# Altium PCB OctopusPB_r0102.PcbDoc (part 7 of 10)
Units mm, origin at the board's own origin, x right, y up, seen from the top; angles counter-clockwise.
Board outline 318 x 80 mm, 4 copper layers (Top Layer, Layer 1, Layer 2, Bottom Layer), stack 1.62 mm thick; 806 components, 346 nets, 2957 pads, 6733 vias.
Unrouted connection lines stored in the file: 1143.
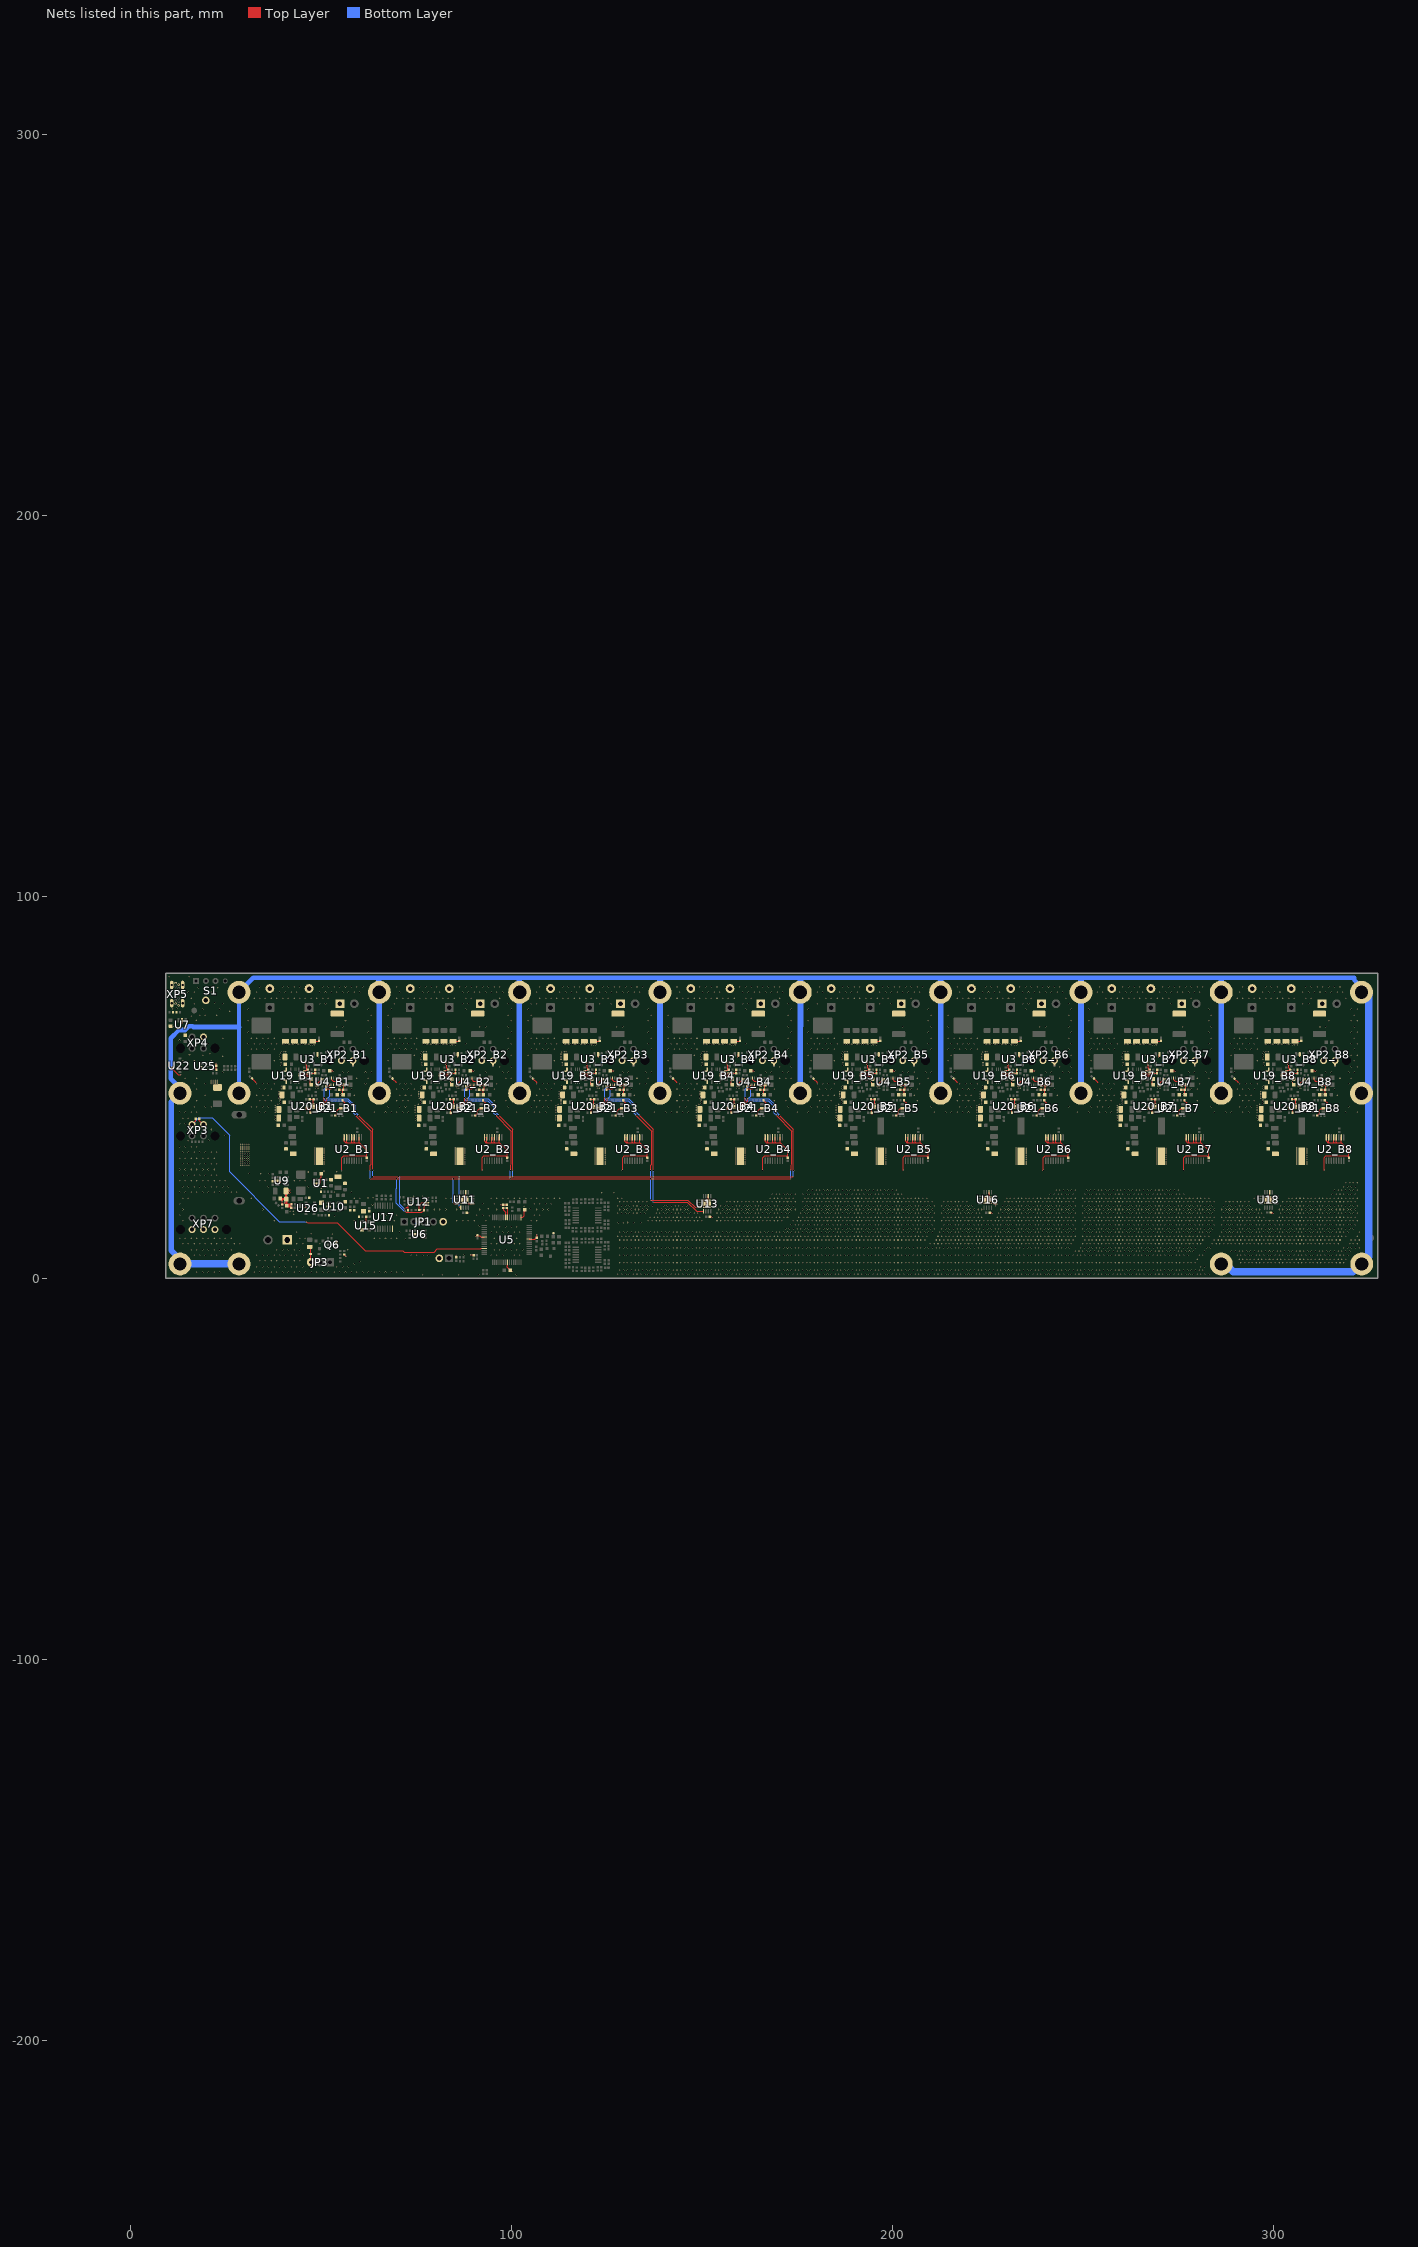
[diagram p9: the nets of this part, all layers, seen from the top]

## Via types
v1: diameter 0.4, hole 0.2, Top Layer to Bottom Layer, tented both sides, 6713 vias
v2: diameter 0.5, hole 0.2, Top Layer to Bottom Layer, tented both sides, 20 vias

## Nets (pads, with @x,y where several pads share a name; then routed paths per layer and width w, separated by ;. In a path a pad name is that pad's centre, name@x,y a point inside that pad or via, vN(x,y) a via of type N, cw(c..) or ccw(c..) an arc to the next point about the centre after c; other vN are vias at no path point) (continued)
DGND: (continued)
  other v1: 260.416,21.984 261.416,21.984 262.416,21.984 263.416,21.984 264.416,21.984 265.416,21.984 266.416,21.984 267.416,21.984 268.416,21.984 269.416,21.984 270.416,21.984 271.416,21.984 272.416,21.984 273.416,21.984 274.416,21.984 275.416,21.984 276.416,21.984 315.416,21.984 316.416,21.984 317.416,21.984 318.416,21.984 319.416,21.984 320.416,21.984 321.416,21.984 123.725,22.325 126.8,22.325 12.916,22.484 14.416,22.484 15.916,22.484 17.416,22.484 18.916,22.484 20.416,22.484 21.916,22.484 23.416,22.484 24.916,22.484 26.416,22.484 27.916,22.484 53.416,22.484 57.916,22.484 177.916,22.984 178.916,22.984 179.916,22.984 180.916,22.984 181.916,22.984 182.916,22.984 183.916,22.984 184.916,22.984 185.916,22.984 186.916,22.984 187.916,22.984 188.916,22.984 189.916,22.984 190.916,22.984 191.916,22.984 192.916,22.984 193.916,22.984 194.916,22.984 195.916,22.984 196.916,22.984 197.916,22.984 198.916,22.984 199.916,22.984 200.916,22.984 242.916,22.984 243.916,22.984 244.916,22.984 245.916,22.984 246.916,22.984 247.916,22.984 250.916,22.984 251.916,22.984 252.916,22.984 253.916,22.984 254.916,22.984 255.916,22.984 256.916,22.984 257.916,22.984 258.916,22.984 259.916,22.984 260.916,22.984 261.916,22.984 262.916,22.984 263.916,22.984 264.916,22.984 265.916,22.984 266.916,22.984 267.916,22.984 268.916,22.984 269.916,22.984 270.916,22.984 271.916,22.984 272.916,22.984 273.916,22.984 274.916,22.984 315.916,22.984 316.916,22.984 317.916,22.984 318.916,22.984 319.916,22.984 320.916,22.984 321.916,22.984 50,23.6 13.666,23.984 15.166,23.984 16.666,23.984 18.166,23.984 19.666,23.984 21.166,23.984 22.666,23.984 24.166,23.984 25.666,23.984 36.166,23.984 46.666,23.984 318.416,23.984 319.416,23.984 320.416,23.984 321.416,23.984 318.916,24.984 319.916,24.984 320.916,24.984 321.916,24.984 12.916,25.484 14.416,25.484 15.916,25.484 17.416,25.484 18.916,25.484 20.416,25.484 21.916,25.484 23.416,25.484 24.916,25.484 33.916,25.484 35.416,25.484 42.916,25.484 44.416,25.484 45.916,25.484 13.666,26.984 15.166,26.984 16.666,26.984 18.166,26.984 19.666,26.984 21.166,26.984 22.666,26.984 34.2,27.35 36.45,27.375 31.175,27.5 46.6,27.825 54.15,27.85 50.775,27.975 129.1,28.225 165.925,28.225 202.75,28.225 239.575,28.225 276.4,28.225 313.225,28.225 12.916,28.484 14.416,28.484 15.916,28.484 17.416,28.484 18.916,28.484 20.416,28.484 21.916,28.484 28.975,29.625 29.475,29.625 29.975,29.625 30.475,29.625 30.975,29.625 48.35,29.925 50.9,29.925 85.175,29.925 85.175,29.925 87.725,29.925 87.725,29.925 122,29.925 124.55,29.925 158.825,29.925 161.375,29.925 195.65,29.925 198.2,29.925 232.475,29.925 235.025,29.925 269.3,29.925 271.85,29.925 306.125,29.925 308.675,29.925 13.666,29.984 15.166,29.984 16.666,29.984 18.166,29.984 19.666,29.984 21.166,29.984 22.666,29.984 28.975,30.125 29.475,30.125 29.975,30.125 30.475,30.125 30.975,30.125 48.35,30.45 50.9,30.45 85.175,30.45 85.175,30.45 87.725,30.45 87.725,30.45 122,30.45 124.55,30.45 158.825,30.45 161.375,30.45 195.65,30.45 198.2,30.45 232.475,30.45 235.025,30.45 269.3,30.45 271.85,30.45 306.125,30.45 308.675,30.45 28.975,30.625 29.475,30.625 29.975,30.625 30.475,30.625 30.975,30.625 48.35,30.975 85.175,30.975 85.175,30.975 122,30.975 158.825,30.975 195.65,30.975 232.475,30.975 269.3,30.975 306.125,30.975 50.9,31 87.725,31 87.725,31 124.55,31 161.375,31 198.2,31 235.025,31 271.85,31 308.675,31 28.975,31.125 29.475,31.125 29.975,31.125 30.475,31.125 30.975,31.125 12.916,31.484 14.416,31.484 15.916,31.484 17.416,31.484 18.916,31.484 20.416,31.484 21.916,31.484 48.35,31.5 85.175,31.5 85.175,31.5 122,31.5 158.825,31.5 195.65,31.5 232.475,31.5 269.3,31.5 306.125,31.5 50.9,31.525 87.725,31.525 87.725,31.525 124.55,31.525 161.375,31.525 198.2,31.525 235.025,31.525 271.85,31.525 308.675,31.525 28.975,31.625 29.475,31.625 29.975,31.625 30.475,31.625 30.975,31.625 48.35,32.025 85.175,32.025 85.175,32.025 122,32.025 158.825,32.025 195.65,32.025 232.475,32.025 269.3,32.025 306.125,32.025 50.9,32.05 87.725,32.05 87.725,32.05 124.55,32.05 161.375,32.05 198.2,32.05 235.025,32.05 271.85,32.05 308.675,32.05 28.975,32.125 29.475,32.125 29.975,32.125 30.475,32.125 30.975,32.125 48.35,32.55 85.175,32.55 85.175,32.55 122,32.55 158.825,32.55 195.65,32.55 232.475,32.55 269.3,32.55 306.125,32.55 50.9,32.575 87.725,32.575 87.725,32.575 124.55,32.575 161.375,32.575 198.2,32.575 235.025,32.575 271.85,32.575 308.675,32.575 28.975,32.625 29.475,32.625 29.975,32.625 30.475,32.625 30.975,32.625 13.666,32.984 15.166,32.984 16.666,32.984 18.166,32.984 19.666,32.984 21.166,32.984 22.666,32.984 48.35,33.075 50.9,33.075 85.175,33.075 85.175,33.075 87.725,33.075 87.725,33.075 122,33.075 124.55,33.075 158.825,33.075 161.375,33.075 195.65,33.075 198.2,33.075 232.475,33.075 235.025,33.075 269.3,33.075 271.85,33.075 306.125,33.075 308.675,33.075 28.975,33.125 29.475,33.125 29.975,33.125 30.475,33.125 30.975,33.125 48.35,33.6 50.9,33.6 85.175,33.6 85.175,33.6 87.725,33.6 87.725,33.6 122,33.6 124.55,33.6 158.825,33.6 161.375,33.6 195.65,33.6 198.2,33.6 232.475,33.6 235.025,33.6 269.3,33.6 271.85,33.6 306.125,33.6 308.675,33.6 28.975,33.625 29.475,33.625 29.975,33.625 30.475,33.625 30.975,33.625 50.9,34.1 87.725,34.1 124.55,34.1 161.375,34.1 198.2,34.1 235.025,34.1 271.85,34.1 308.675,34.1 28.975,34.125 29.475,34.125 29.975,34.125 30.475,34.125 30.975,34.125 48.35,34.125 85.175,34.125 122,34.125 158.825,34.125 195.65,34.125 232.475,34.125 269.3,34.125 306.125,34.125 12.916,34.484 14.416,34.484 15.916,34.484 17.416,34.484 28.975,34.625 29.475,34.625 29.975,34.625 30.475,34.625 30.975,34.625 28.975,35.125 29.475,35.125 29.975,35.125 30.475,35.125 30.975,35.125 15.166,35.984 20.5,36.1 24.916,37.484 15.166,38.984 21.166,38.984 12.916,40.484 14.416,40.484 38,41.6 74.825,41.6 111.65,41.6 148.475,41.6 185.3,41.6 222.125,41.6 258.95,41.6 295.775,41.6 13.666,41.984 15.166,41.984 37.975,42.1 74.8,42.1 111.625,42.1 148.45,42.1 185.275,42.1 222.1,42.1 258.925,42.1 295.75,42.1 37.975,42.575 74.8,42.575 111.625,42.575 148.45,42.575 185.275,42.575 222.1,42.575 258.925,42.575 295.75,42.575 12.916,43.484 14.416,43.484 15.916,43.484 17.416,43.484 33.916,43.484 33.916,43.484 35.416,43.484 35.416,43.484 50.416,43.484 50.416,43.484 63.916,43.484 63.916,43.484 66.916,43.484 66.916,43.484 68.416,43.484 68.416,43.484 69.916,43.484 69.916,43.484 71.416,43.484 71.416,43.484 72.916,43.484 72.916,43.484 86.416,43.484 86.416,43.484 87.916,43.484 87.916,43.484 101.416,43.484 101.416,43.484 104.416,43.484 104.416,43.484 105.916,43.484 105.916,43.484 107.416,43.484 107.416,43.484 108.916,43.484 108.916,43.484 123.916,43.484 123.916,43.484 137.416,43.484 137.416,43.484 140.416,43.484 140.416,43.484 141.916,43.484 141.916,43.484 143.416,43.484 143.416,43.484 144.916,43.484 144.916,43.484 146.416,43.484 146.416,43.484 159.916,43.484 159.916,43.484 161.416,43.484 161.416,43.484 174.916,43.484 174.916,43.484 177.916,43.484 177.916,43.484 180.916,43.484 180.916,43.484 182.416,43.484 182.416,43.484 197.416,43.484 197.416,43.484 198.916,43.484 198.916,43.484 210.916,43.484 210.916,43.484 213.916,43.484 213.916,43.484 215.416,43.484 215.416,43.484 216.916,43.484 216.916,43.484 218.416,43.484 218.416,43.484 219.916,43.484 219.916,43.484 233.416,43.484 233.416,43.484 234.916,43.484 234.916,43.484 248.416,43.484 248.416,43.484 251.416,43.484 251.416,43.484 254.416,43.484 254.416,43.484 255.916,43.484 255.916,43.484 257.416,43.484 257.416,43.484 270.916,43.484 270.916,43.484 272.416,43.484 272.416,43.484 284.416,43.484 284.416,43.484 287.416,43.484 287.416,43.484 288.916,43.484 288.916,43.484 291.916,43.484 291.916,43.484 293.416,43.484 293.416,43.484 308.416,43.484 308.416,43.484 318.916,43.484 318.916,43.484 321.916,43.484 321.916,43.484 37.95,43.55 74.775,43.55 111.6,43.55 148.425,43.55 185.25,43.55 222.075,43.55 258.9,43.55 295.725,43.55 37.95,44.1 74.775,44.1 111.6,44.1 148.425,44.1 185.25,44.1 222.075,44.1 258.9,44.1 295.725,44.1 48.1,44.625 84.925,44.625 121.75,44.625 158.575,44.625 195.4,44.625 232.225,44.625 269.05,44.625 305.875,44.625 37.95,44.65 74.775,44.65 111.6,44.65 148.425,44.65 185.25,44.65 222.075,44.65 258.9,44.65 295.725,44.65 16.666,44.984 19.666,44.984 21.166,44.984 31.666,44.984 31.666,44.984 33.166,44.984 33.166,44.984 34.666,44.984 34.666,44.984 36.166,44.984 36.166,44.984 67.666,44.984 67.666,44.984 70.666,44.984 70.666,44.984 72.166,44.984 72.166,44.984 99.166,44.984 99.166,44.984 105.166,44.984 105.166,44.984 106.666,44.984 106.666,44.984 108.166,44.984 108.166,44.984 109.666,44.984 109.666,44.984 144.166,44.984 144.166,44.984 145.666,44.984 145.666,44.984 172.666,44.984 172.666,44.984 178.666,44.984 178.666,44.984 180.166,44.984 180.166,44.984 181.666,44.984 181.666,44.984 183.166,44.984 183.166,44.984 210.166,44.984 210.166,44.984 217.666,44.984 217.666,44.984 219.166,44.984 219.166,44.984 220.666,44.984 220.666,44.984 246.166,44.984 246.166,44.984 252.166,44.984 252.166,44.984 253.666,44.984 253.666,44.984 255.166,44.984 255.166,44.984 256.666,44.984 256.666,44.984 283.666,44.984 283.666,44.984 291.166,44.984 291.166,44.984 292.666,44.984 292.666,44.984 294.166,44.984 294.166,44.984 319.666,44.984 319.666,44.984 37.95,45.2 74.775,45.2 111.6,45.2 148.425,45.2 185.25,45.2 222.075,45.2 258.9,45.2 295.725,45.2 47.3,45.525 48.1,45.525 84.125,45.525 84.925,45.525 120.95,45.525 121.75,45.525 157.775,45.525 158.575,45.525 194.6,45.525 195.4,45.525 231.425,45.525 232.225,45.525 268.25,45.525 269.05,45.525 305.075,45.525 305.875,45.525 38.625,45.625 75.45,45.625 112.275,45.625 149.1,45.625 185.925,45.625 222.75,45.625 259.575,45.625 296.4,45.625 39.325,45.75 76.15,45.75 112.975,45.75 149.8,45.75 186.625,45.75 223.45,45.75 260.275,45.75 297.1,45.75 39.325,46.275 76.15,46.275 112.975,46.275 149.8,46.275 186.625,46.275 223.45,46.275 260.275,46.275 297.1,46.275 17.416,46.484 33.916,46.484 33.916,46.484 35.416,46.484 35.416,46.484 36.916,46.484 36.916,46.484 69.916,46.484 69.916,46.484 71.416,46.484 71.416,46.484 72.916,46.484 72.916,46.484 95.416,46.484 95.416,46.484 98.416,46.484 98.416,46.484 105.916,46.484 105.916,46.484 107.416,46.484 107.416,46.484 108.916,46.484 108.916,46.484 110.416,46.484 110.416,46.484 143.416,46.484 143.416,46.484 144.916,46.484 144.916,46.484 146.416,46.484 146.416,46.484 168.916,46.484 168.916,46.484 171.916,46.484 171.916,46.484 180.916,46.484 180.916,46.484 182.416,46.484 182.416,46.484 183.916,46.484 183.916,46.484 206.416,46.484 206.416,46.484 216.916,46.484 216.916,46.484 218.416,46.484 218.416,46.484 219.916,46.484 219.916,46.484 221.416,46.484 221.416,46.484 254.416,46.484 254.416,46.484 255.916,46.484 255.916,46.484 257.416,46.484 257.416,46.484 279.916,46.484 279.916,46.484 291.916,46.484 291.916,46.484 293.416,46.484 293.416,46.484 294.916,46.484 294.916,46.484 39.325,46.725 76.15,46.725 112.975,46.725 149.8,46.725 186.625,46.725 223.45,46.725 260.275,46.725 297.1,46.725 38.9,47.225 75.725,47.225 112.55,47.225 149.375,47.225 186.2,47.225 223.025,47.225 259.85,47.225 296.675,47.225 38.875,47.7 75.7,47.7 112.525,47.7 149.35,47.7 186.175,47.7 223,47.7 259.825,47.7 296.65,47.7 55.15,47.85 91.975,47.85 128.8,47.85 165.625,47.85 202.45,47.85 239.275,47.85 276.1,47.85 312.925,47.85 19.666,47.984 33.166,47.984 33.166,47.984 34.666,47.984 34.666,47.984 36.166,47.984 36.166,47.984 58.666,47.984 58.666,47.984 70.666,47.984 70.666,47.984 72.166,47.984 72.166,47.984 73.666,47.984 73.666,47.984 106.666,47.984 106.666,47.984 108.166,47.984 108.166,47.984 109.666,47.984 109.666,47.984 132.166,47.984 132.166,47.984 144.166,47.984 144.166,47.984 145.666,47.984 145.666,47.984 147.166,47.984 147.166,47.984 180.166,47.984 180.166,47.984 181.666,47.984 181.666,47.984 183.166,47.984 183.166,47.984 184.666,47.984 184.666,47.984 205.666,47.984 205.666,47.984 217.666,47.984 217.666,47.984 219.166,47.984 219.166,47.984 220.666,47.984 220.666,47.984 243.166,47.984 243.166,47.984 253.666,47.984 253.666,47.984 255.166,47.984 255.166,47.984 256.666,47.984 256.666,47.984 258.166,47.984 258.166,47.984 291.166,47.984 291.166,47.984 292.666,47.984 292.666,47.984 294.166,47.984 294.166,47.984 316.666,47.984 316.666,47.984 38.875,48.3 75.7,48.3 112.525,48.3 149.35,48.3 186.175,48.3 223,48.3 259.825,48.3 296.65,48.3 55.15,48.4 91.975,48.4 128.8,48.4 165.625,48.4 202.45,48.4 239.275,48.4 276.1,48.4 312.925,48.4 38.875,48.85 75.7,48.85 112.525,48.85 149.35,48.85 186.175,48.85 223,48.85 259.825,48.85 296.65,48.85 17.416,49.484 33.916,49.484 33.916,49.484 35.416,49.484 35.416,49.484 36.916,49.484 36.916,49.484 57.916,49.484 57.916,49.484 69.916,49.484 69.916,49.484 71.416,49.484 71.416,49.484 72.916,49.484 72.916,49.484 74.416,49.484 74.416,49.484 95.416,49.484 95.416,49.484 107.416,49.484 107.416,49.484 108.916,49.484 108.916,49.484 110.416,49.484 110.416,49.484 131.416,49.484 131.416,49.484 143.416,49.484 143.416,49.484 144.916,49.484 144.916,49.484 146.416,49.484 146.416,49.484 147.916,49.484 147.916,49.484 168.916,49.484 168.916,49.484 180.916,49.484 180.916,49.484 182.416,49.484 182.416,49.484 183.916,49.484 183.916,49.484 204.916,49.484 204.916,49.484 206.416,49.484 206.416,49.484 216.916,49.484 216.916,49.484 218.416,49.484 218.416,49.484 219.916,49.484 219.916,49.484 221.416,49.484 221.416,49.484 242.416,49.484 242.416,49.484 254.416,49.484 254.416,49.484 255.916,49.484 255.916,49.484 257.416,49.484 257.416,49.484 278.416,49.484 278.416,49.484 279.916,49.484 279.916,49.484 290.416,49.484 290.416,49.484 291.916,49.484 291.916,49.484 293.416,49.484 293.416,49.484 294.916,49.484 294.916,49.484 315.916,49.484 315.916,49.484 39.525,49.725 76.35,49.725 113.175,49.725 150,49.725 186.825,49.725 223.65,49.725 260.475,49.725 297.3,49.725 48.8,49.8 85.625,49.8 122.45,49.8 159.275,49.8 196.1,49.8 232.925,49.8 269.75,49.8 306.575,49.8 49.325,49.825 86.15,49.825 122.975,49.825 159.8,49.825 196.625,49.825 233.45,49.825 270.275,49.825 307.1,49.825 39.525,50.275 76.35,50.275 113.175,50.275 150,50.275 186.825,50.275 223.65,50.275 260.475,50.275 297.3,50.275 21.2,50.95 21.7,50.95 22.2,50.95 22.7,50.95 16.666,50.984 19.666,50.984 33.166,50.984 33.166,50.984 34.666,50.984 34.666,50.984 36.166,50.984 36.166,50.984 37.666,50.984 37.666,50.984 61.666,50.984 61.666,50.984 70.666,50.984 70.666,50.984 72.166,50.984 72.166,50.984 73.666,50.984 73.666,50.984 96.166,50.984 96.166,50.984 106.666,50.984 106.666,50.984 108.166,50.984 108.166,50.984 109.666,50.984 109.666,50.984 111.166,50.984 111.166,50.984 133.666,50.984 133.666,50.984 135.166,50.984 135.166,50.984 144.166,50.984 144.166,50.984 145.666,50.984 145.666,50.984 147.166,50.984 147.166,50.984 148.666,50.984 148.666,50.984 180.166,50.984 180.166,50.984 181.666,50.984 181.666,50.984 183.166,50.984 183.166,50.984 184.666,50.984 184.666,50.984 207.166,50.984 207.166,50.984 217.666,50.984 217.666,50.984 219.166,50.984 219.166,50.984 220.666,50.984 220.666,50.984 222.166,50.984 222.166,50.984 255.166,50.984 255.166,50.984 256.666,50.984 256.666,50.984 258.166,50.984 258.166,50.984 280.666,50.984 280.666,50.984 291.166,50.984 291.166,50.984 292.666,50.984 292.666,50.984 294.166,50.984 294.166,50.984 295.666,50.984 295.666,50.984 319.666,50.984 319.666,50.984 21.2,51.45 21.7,51.45 22.2,51.45 22.7,51.45 47.15,51.55 83.975,51.55 120.8,51.55 157.625,51.55 194.45,51.55 231.275,51.55 268.1,51.55 304.925,51.55 21.2,51.925 21.7,51.925 22.2,51.925 22.7,51.925 14.416,52.484 17.416,52.484 59.416,52.484 59.416,52.484 62.416,52.484 62.416,52.484 98.416,52.484 98.416,52.484 99.916,52.484 99.916,52.484 132.916,52.484 132.916,52.484 135.916,52.484 135.916,52.484 170.416,52.484 170.416,52.484 171.916,52.484 171.916,52.484 173.416,52.484 173.416,52.484 206.416,52.484 206.416,52.484 209.416,52.484 209.416,52.484 243.916,52.484 243.916,52.484 246.916,52.484 246.916,52.484 279.916,52.484 279.916,52.484 282.916,52.484 282.916,52.484 317.416,52.484 317.416,52.484 320.416,52.484 320.416,52.484 24.166,53.984 55.666,53.984 55.666,53.984 57.166,53.984 57.166,53.984 61.666,53.984 61.666,53.984 63.166,53.984 63.166,53.984 93.166,53.984 93.166,53.984 97.666,53.984 97.666,53.984 99.166,53.984 99.166,53.984 129.166,53.984 129.166,53.984 130.666,53.984 130.666,53.984 135.166,53.984 135.166,53.984 136.666,53.984 136.666,53.984 166.666,53.984 166.666,53.984 168.166,53.984 168.166,53.984 171.166,53.984 171.166,53.984 172.666,53.984 172.666,53.984 202.666,53.984 202.666,53.984 204.166,53.984 204.166,53.984 205.666,53.984 205.666,53.984 208.666,53.984 208.666,53.984 210.166,53.984 210.166,53.984 216.166,53.984 216.166,53.984 240.166,53.984 240.166,53.984 241.666,53.984 241.666,53.984 244.666,53.984 244.666,53.984 246.166,53.984 246.166,53.984 277.666,53.984 277.666,53.984 279.166,53.984 279.166,53.984 282.166,53.984 282.166,53.984 283.666,53.984 283.666,53.984 289.666,53.984 289.666,53.984 313.666,53.984 313.666,53.984 315.166,53.984 315.166,53.984 319.666,53.984 319.666,53.984 321.166,53.984 321.166,53.984 96.916,55.484 96.916,55.484 99.916,55.484 99.916,55.484 170.416,55.484 170.416,55.484 173.416,55.484 173.416,55.484 243.916,55.484 243.916,55.484 246.916,55.484 246.916,55.484 320.416,55.484 320.416,55.484 321.916,55.484 321.916,55.484 39.6,55.85 76.425,55.85 113.25,55.85 150.075,55.85 186.9,55.85 223.725,55.85 260.55,55.85 297.375,55.85 39.6,56.475 76.425,56.475 113.25,56.475 150.075,56.475 186.9,56.475 223.725,56.475 260.55,56.475 297.375,56.475 13.666,56.984 16.666,56.984 21.166,56.984 37.666,56.984 67.666,56.984 111.166,56.984 141.166,56.984 178.666,56.984 178.666,56.984 184.666,56.984 184.666,56.984 214.666,56.984 252.166,56.984 295.666,56.984 321.166,56.984 321.166,56.984 39.325,57.475 76.15,57.475 112.975,57.475 149.8,57.475 186.625,57.475 223.45,57.475 260.275,57.475 297.1,57.475 39.325,58.075 76.15,58.075 112.975,58.075 149.8,58.075 186.625,58.075 223.45,58.075 260.275,58.075 297.1,58.075 24.25,58.225 18.916,58.484 30.916,58.484 45.916,58.484 45.916,58.484 47.416,58.484 47.416,58.484 74.416,58.484 83.416,58.484 83.416,58.484 99.916,58.484 99.916,58.484 104.416,58.484 119.416,58.484 119.416,58.484 120.916,58.484 120.916,58.484 147.916,58.484 156.916,58.484 156.916,58.484 170.416,58.484 170.416,58.484 173.416,58.484 173.416,58.484 177.916,58.484 192.916,58.484 192.916,58.484 215.416,58.484 230.416,58.484 230.416,58.484 246.916,58.484 246.916,58.484 251.416,58.484 266.416,58.484 266.416,58.484 288.916,58.484 303.916,58.484 303.916,58.484 320.416,58.484 320.416,58.484 321.916,58.484 321.916,58.484 15.475,58.55 39.325,58.675 76.15,58.675 112.975,58.675 149.8,58.675 186.625,58.675 223.45,58.675 260.275,58.675 297.1,58.675 20.75,58.825 39.575,59.2 76.4,59.2 113.225,59.2 150.05,59.2 186.875,59.2 223.7,59.2 260.525,59.2 297.35,59.2 40.15,59.325 40.75,59.325 76.975,59.325 77.575,59.325 113.8,59.325 114.4,59.325 150.625,59.325 151.225,59.325 187.45,59.325 188.05,59.325 224.275,59.325 224.875,59.325 261.1,59.325 261.7,59.325 297.925,59.325 298.525,59.325 31.666,59.984 33.166,59.984 34.666,59.984 36.166,59.984 37.666,59.984 63.166,59.984 63.166,59.984 67.666,59.984 69.166,59.984 70.666,59.984 72.166,59.984 73.666,59.984 75.166,59.984 99.166,59.984 99.166,59.984 105.166,59.984 106.666,59.984 108.166,59.984 109.666,59.984 111.166,59.984 136.666,59.984 136.666,59.984 141.166,59.984 142.666,59.984 144.166,59.984 145.666,59.984 147.166,59.984 148.666,59.984 172.666,59.984 172.666,59.984 178.666,59.984 180.166,59.984 181.666,59.984 183.166,59.984 184.666,59.984 210.166,59.984 210.166,59.984 214.666,59.984 216.166,59.984 217.666,59.984 219.166,59.984 220.666,59.984 222.166,59.984 246.166,59.984 246.166,59.984 252.166,59.984 253.666,59.984 255.166,59.984 256.666,59.984 258.166,59.984 283.666,59.984 283.666,59.984 289.666,59.984 291.166,59.984 292.666,59.984 294.166,59.984 295.666,59.984 321.166,59.984 321.166,59.984 47.2,61.275 47.8,61.275 48.4,61.275 84.025,61.275 84.625,61.275 85.225,61.275 120.85,61.275 121.45,61.275 122.05,61.275 157.675,61.275 158.275,61.275 158.875,61.275 194.5,61.275 195.1,61.275 195.7,61.275 231.325,61.275 231.925,61.275 232.525,61.275 268.15,61.275 268.75,61.275 269.35,61.275 304.975,61.275 305.575,61.275 306.175,61.275 40,61.3 40.6,61.3 41.2,61.3 41.8,61.3 42.4,61.3 43,61.3 43.6,61.3 44.2,61.3 44.8,61.3 45.4,61.3 46,61.3 46.6,61.3 76.825,61.3 77.425,61.3 78.025,61.3 78.625,61.3 79.225,61.3 79.825,61.3 80.425,61.3 81.025,61.3 81.625,61.3 82.225,61.3 82.825,61.3 83.425,61.3 113.65,61.3 114.25,61.3 114.85,61.3 115.45,61.3 116.05,61.3 116.65,61.3 117.25,61.3 117.85,61.3 118.45,61.3 119.05,61.3 119.65,61.3 120.25,61.3 150.475,61.3 151.075,61.3 151.675,61.3 152.275,61.3 152.875,61.3 153.475,61.3 154.075,61.3 154.675,61.3 155.275,61.3 155.875,61.3 156.475,61.3 157.075,61.3 187.3,61.3 187.9,61.3 188.5,61.3 189.1,61.3 189.7,61.3 190.3,61.3 190.9,61.3 191.5,61.3 192.1,61.3 192.7,61.3 193.3,61.3 193.9,61.3 224.125,61.3 224.725,61.3 225.325,61.3 225.925,61.3 226.525,61.3 227.125,61.3 227.725,61.3 228.325,61.3 228.925,61.3 229.525,61.3 230.125,61.3 230.725,61.3 260.95,61.3 261.55,61.3 262.15,61.3 262.75,61.3 263.35,61.3 263.95,61.3 264.55,61.3 265.15,61.3 265.75,61.3 266.35,61.3 266.95,61.3 267.55,61.3 297.775,61.3 298.375,61.3 298.975,61.3 299.575,61.3 300.175,61.3 300.775,61.3 301.375,61.3 301.975,61.3 302.575,61.3 303.175,61.3 303.775,61.3 304.375,61.3 17.416,61.484 20.416,61.484 30.916,61.484 32.416,61.484 33.916,61.484 35.416,61.484 36.916,61.484 38.416,61.484 62.416,61.484 62.416,61.484 68.416,61.484 69.916,61.484 71.416,61.484 72.916,61.484 74.416,61.484 87.916,61.484 87.916,61.484 99.916,61.484 99.916,61.484 104.416,61.484 105.916,61.484 107.416,61.484 108.916,61.484 110.416,61.484 111.916,61.484 135.916,61.484 135.916,61.484 141.916,61.484 143.416,61.484 144.916,61.484 146.416,61.484 147.916,61.484 161.416,61.484 161.416,61.484 173.416,61.484 173.416,61.484 177.916,61.484 179.416,61.484 180.916,61.484 182.416,61.484 183.916,61.484 185.416,61.484 209.416,61.484 209.416,61.484 215.416,61.484 216.916,61.484 218.416,61.484 219.916,61.484 221.416,61.484 246.916,61.484 246.916,61.484 251.416,61.484 252.916,61.484 254.416,61.484 255.916,61.484 257.416,61.484 258.916,61.484 282.916,61.484 282.916,61.484 288.916,61.484 290.416,61.484 291.916,61.484 293.416,61.484 294.916,61.484 320.416,61.484 320.416,61.484 321.916,61.484 321.916,61.484 12.85,62.375 24.166,62.984 31.666,62.984 33.166,62.984 34.666,62.984 36.166,62.984 37.666,62.984 63.166,62.984 63.166,62.984 67.666,62.984 69.166,62.984 70.666,62.984 72.166,62.984 73.666,62.984 75.166,62.984 99.166,62.984 99.166,62.984 105.166,62.984 106.666,62.984 108.166,62.984 109.666,62.984 111.166,62.984 136.666,62.984 136.666,62.984 141.166,62.984 142.666,62.984 144.166,62.984 145.666,62.984 147.166,62.984 148.666,62.984 172.666,62.984 172.666,62.984 178.666,62.984 180.166,62.984 181.666,62.984 183.166,62.984 184.666,62.984 210.166,62.984 210.166,62.984 214.666,62.984 216.166,62.984 217.666,62.984 219.166,62.984 220.666,62.984 222.166,62.984 246.166,62.984 246.166,62.984 252.166,62.984 253.666,62.984 255.166,62.984 256.666,62.984 258.166,62.984 283.666,62.984 283.666,62.984 289.666,62.984 291.166,62.984 292.666,62.984 294.166,62.984 295.666,62.984 321.166,62.984 321.166,62.984 30.916,64.484 30.916,64.484 62.416,64.484 62.416,64.484 99.916,64.484 99.916,64.484 104.416,64.484 104.416,64.484 135.916,64.484 135.916,64.484 173.416,64.484 173.416,64.484 177.916,64.484 177.916,64.484 209.416,64.484 209.416,64.484 246.916,64.484 246.916,64.484 251.416,64.484 251.416,64.484 282.916,64.484 282.916,64.484 320.416,64.484 320.416,64.484 321.916,64.484 321.916,64.484 54.166,65.984 55.666,65.984 63.166,65.984 63.166,65.984 67.666,65.984 67.666,65.984 91.666,65.984 93.166,65.984 99.166,65.984 99.166,65.984 127.666,65.984 129.166,65.984 136.666,65.984 136.666,65.984 141.166,65.984 141.166,65.984 165.166,65.984 166.666,65.984 172.666,65.984 172.666,65.984 202.666,65.984 210.166,65.984 210.166,65.984 214.666,65.984 214.666,65.984 238.666,65.984 240.166,65.984 246.166,65.984 246.166,65.984 276.166,65.984 283.666,65.984 283.666,65.984 312.166,65.984 313.666,65.984 321.166,65.984 321.166,65.984 11.05,66.1 30.916,67.484 30.916,67.484 56.416,67.484 62.416,67.484 62.416,67.484 99.916,67.484 99.916,67.484 104.416,67.484 104.416,67.484 135.916,67.484 135.916,67.484 173.416,67.484 173.416,67.484 177.916,67.484 177.916,67.484 209.416,67.484 209.416,67.484 246.916,67.484 246.916,67.484 251.416,67.484 251.416,67.484 282.916,67.484 282.916,67.484 314.416,67.484 320.416,67.484 320.416,67.484 321.916,67.484 321.916,67.484 17.2,67.675 15.9,68.7 18.166,68.984 19.666,68.984 22.666,68.984 63.166,68.984 63.166,68.984 67.666,68.984 67.666,68.984 99.166,68.984 99.166,68.984 105.166,68.984 136.666,68.984 136.666,68.984 141.166,68.984 141.166,68.984 172.666,68.984 172.666,68.984 210.166,68.984 210.166,68.984 214.666,68.984 214.666,68.984 246.166,68.984 246.166,68.984 283.666,68.984 283.666,68.984 321.166,68.984 321.166,68.984 26.07,70.052 18.916,70.484 23.416,70.484 30.916,70.484 30.916,70.484 62.416,70.484 62.416,70.484 68.416,70.484 87.916,70.484 99.916,70.484 99.916,70.484 104.416,70.484 104.416,70.484 135.916,70.484 135.916,70.484 161.416,70.484 173.416,70.484 173.416,70.484 177.916,70.484 177.916,70.484 209.416,70.484 209.416,70.484 234.916,70.484 246.916,70.484 246.916,70.484 251.416,70.484 251.416,70.484 282.916,70.484 282.916,70.484 320.416,70.484 320.416,70.484 321.916,70.484 321.916,70.484 11.125,70.725 12.1,70.75 16.666,71.984 24.166,71.984 49.666,71.984 51.166,71.984 51.166,71.984 69.166,71.984 87.166,71.984 88.666,71.984 88.666,71.984 99.166,71.984 99.166,71.984 105.166,71.984 105.166,71.984 106.666,71.984 123.166,71.984 126.166,71.984 126.166,71.984 160.666,71.984 162.166,71.984 162.166,71.984 172.666,71.984 172.666,71.984 180.166,71.984 196.666,71.984 199.666,71.984 199.666,71.984 234.166,71.984 235.666,71.984 235.666,71.984 246.166,71.984 246.166,71.984 253.666,71.984 273.166,71.984 273.166,71.984 307.666,71.984 309.166,71.984 309.166,71.984 22.1,72.3 15.916,73.484 32.416,73.484 32.416,73.484 33.916,73.484 35.416,73.484 36.916,73.484 38.416,73.484 39.916,73.484 41.416,73.484 42.916,73.484 44.416,73.484 45.916,73.484 47.416,73.484 48.916,73.484 50.416,73.484 50.416,73.484 51.916,73.484 51.916,73.484 69.916,73.484 69.916,73.484 71.416,73.484 72.916,73.484 74.416,73.484 75.916,73.484 77.416,73.484 78.916,73.484 80.416,73.484 81.916,73.484 83.416,73.484 84.916,73.484 87.916,73.484 87.916,73.484 89.416,73.484 89.416,73.484 96.916,73.484 96.916,73.484 107.416,73.484 108.916,73.484 110.416,73.484 111.916,73.484 113.416,73.484 114.916,73.484 116.416,73.484 117.916,73.484 119.416,73.484 120.916,73.484 122.416,73.484 123.916,73.484 123.916,73.484 125.416,73.484 125.416,73.484 143.416,73.484 143.416,73.484 144.916,73.484 146.416,73.484 147.916,73.484 149.416,73.484 150.916,73.484 152.416,73.484 153.916,73.484 155.416,73.484 156.916,73.484 158.416,73.484 161.416,73.484 161.416,73.484 162.916,73.484 162.916,73.484 170.416,73.484 170.416,73.484 182.416,73.484 183.916,73.484 185.416,73.484 186.916,73.484 188.416,73.484 189.916,73.484 191.416,73.484 192.916,73.484 194.416,73.484 195.916,73.484 197.416,73.484 197.416,73.484 198.916,73.484 198.916,73.484 204.916,73.484 204.916,73.484 216.916,73.484 216.916,73.484 218.416,73.484 219.916,73.484 221.416,73.484 222.916,73.484 224.416,73.484 225.916,73.484 227.416,73.484 228.916,73.484 230.416,73.484 231.916,73.484 234.916,73.484 234.916,73.484 236.416,73.484 236.416,73.484 245.416,73.484 245.416,73.484 255.916,73.484 257.416,73.484 258.916,73.484 260.416,73.484 261.916,73.484 263.416,73.484 264.916,73.484 266.416,73.484 267.916,73.484 269.416,73.484 270.916,73.484 270.916,73.484 272.416,73.484 272.416,73.484 278.416,73.484 278.416,73.484 290.416,73.484 290.416,73.484 291.916,73.484 293.416,73.484 294.916,73.484 296.416,73.484 297.916,73.484 299.416,73.484 300.916,73.484 302.416,73.484 303.916,73.484 305.416,73.484 308.416,73.484 308.416,73.484 309.916,73.484 309.916,73.484 318.916,73.484 318.916,73.484 19.3,74.6 10.2,74.775 15.166,74.984 16.666,74.984 21.166,74.984 33.166,74.984 33.166,74.984 39.166,74.984 39.166,74.984 40.666,74.984 40.666,74.984 42.166,74.984 42.166,74.984 43.666,74.984 43.666,74.984 49.666,74.984 49.666,74.984 51.166,74.984 51.166,74.984 52.666,74.984 52.666,74.984 54.166,74.984 54.166,74.984 55.666,74.984 55.666,74.984 57.166,74.984 57.166,74.984 58.666,74.984 58.666,74.984 60.166,74.984 60.166,74.984 70.666,74.984 70.666,74.984 76.666,74.984 76.666,74.984 78.166,74.984 78.166,74.984 79.666,74.984 79.666,74.984 81.166,74.984 81.166,74.984 87.166,74.984 87.166,74.984 88.666,74.984 88.666,74.984 90.166,74.984 90.166,74.984 91.666,74.984 91.666,74.984 93.166,74.984 93.166,74.984 94.666,74.984 94.666,74.984 96.166,74.984 96.166,74.984 97.666,74.984 97.666,74.984 106.666,74.984 106.666,74.984 112.666,74.984 112.666,74.984 114.166,74.984 114.166,74.984 115.666,74.984 115.666,74.984 117.166,74.984 117.166,74.984 123.166,74.984 123.166,74.984 124.666,74.984 124.666,74.984 126.166,74.984 126.166,74.984 127.666,74.984 127.666,74.984 129.166,74.984 129.166,74.984 130.666,74.984 130.666,74.984 132.166,74.984 132.166,74.984 133.666,74.984 133.666,74.984 144.166,74.984 144.166,74.984 150.166,74.984 150.166,74.984 151.666,74.984 151.666,74.984 153.166,74.984 153.166,74.984 154.666,74.984 154.666,74.984 160.666,74.984 160.666,74.984 162.166,74.984 162.166,74.984 163.666,74.984 163.666,74.984 165.166,74.984 165.166,74.984 166.666,74.984 166.666,74.984 168.166,74.984 168.166,74.984 169.666,74.984 169.666,74.984 171.166,74.984 171.166,74.984 180.166,74.984 180.166,74.984 181.666,74.984 181.666,74.984 186.166,74.984 186.166,74.984 187.666,74.984 187.666,74.984 189.166,74.984 189.166,74.984 190.666,74.984 190.666,74.984 196.666,74.984 196.666,74.984 198.166,74.984 198.166,74.984 199.666,74.984 199.666,74.984 201.166,74.984 201.166,74.984 202.666,74.984 202.666,74.984 204.166,74.984 204.166,74.984 205.666,74.984 205.666,74.984 207.166,74.984 207.166,74.984 217.666,74.984 217.666,74.984 223.666,74.984 223.666,74.984 225.166,74.984 225.166,74.984 226.666,74.984 226.666,74.984 228.166,74.984 228.166,74.984 234.166,74.984 234.166,74.984 235.666,74.984 235.666,74.984 237.166,74.984 237.166,74.984 238.666,74.984 238.666,74.984 240.166,74.984 240.166,74.984 241.666,74.984 241.666,74.984 243.166,74.984 243.166,74.984 244.666,74.984 244.666,74.984 253.666,74.984 253.666,74.984 255.166,74.984 255.166,74.984 259.666,74.984 259.666,74.984 261.166,74.984 261.166,74.984 262.666,74.984 262.666,74.984 264.166,74.984 264.166,74.984 265.666,74.984 265.666,74.984 270.166,74.984 270.166,74.984 271.666,74.984 271.666,74.984 273.166,74.984 273.166,74.984 274.666,74.984 274.666,74.984 276.166,74.984 276.166,74.984 277.666,74.984 277.666,74.984 279.166,74.984 279.166,74.984 280.666,74.984 280.666,74.984 291.166,74.984 291.166,74.984 297.166,74.984 297.166,74.984 298.666,74.984 298.666,74.984 300.166,74.984 300.166,74.984 301.666,74.984 301.666,74.984 307.666,74.984 307.666,74.984 309.166,74.984 309.166,74.984 310.666,74.984 310.666,74.984 312.166,74.984 312.166,74.984 313.666,74.984 313.666,74.984 315.166,74.984 315.166,74.984 316.666,74.984 316.666,74.984 318.166,74.984 318.166,74.984 22.95,76.125 17.8,76.2 19.2,76.2 33.916,76.484 33.916,76.484 39.916,76.484 39.916,76.484 41.416,76.484 41.416,76.484 42.916,76.484 42.916,76.484 44.416,76.484 44.416,76.484 50.416,76.484 50.416,76.484 51.916,76.484 51.916,76.484 53.416,76.484 53.416,76.484 54.916,76.484 54.916,76.484 56.416,76.484 56.416,76.484 57.916,76.484 57.916,76.484 59.416,76.484 59.416,76.484 60.916,76.484 60.916,76.484 69.916,76.484 69.916,76.484 75.916,76.484 75.916,76.484 77.416,76.484 77.416,76.484 78.916,76.484 78.916,76.484 80.416,76.484 80.416,76.484 86.416,76.484 86.416,76.484 87.916,76.484 87.916,76.484 89.416,76.484 89.416,76.484 90.916,76.484 90.916,76.484 92.416,76.484 92.416,76.484 93.916,76.484 93.916,76.484 95.416,76.484 95.416,76.484 96.916,76.484 96.916,76.484 107.416,76.484 107.416,76.484 113.416,76.484 113.416,76.484 114.916,76.484 114.916,76.484 116.416,76.484 116.416,76.484 117.916,76.484 117.916,76.484 123.916,76.484 123.916,76.484 125.416,76.484 125.416,76.484 126.916,76.484 126.916,76.484 128.416,76.484 128.416,76.484 129.916,76.484 129.916,76.484 131.416,76.484 131.416,76.484 132.916,76.484 132.916,76.484 134.416,76.484 134.416,76.484 143.416,76.484 143.416,76.484 149.416,76.484 149.416,76.484 150.916,76.484 150.916,76.484 152.416,76.484 152.416,76.484 153.916,76.484 153.916,76.484 159.916,76.484 159.916,76.484 161.416,76.484 161.416,76.484 162.916,76.484 162.916,76.484 164.416,76.484 164.416,76.484 165.916,76.484 165.916,76.484 167.416,76.484 167.416,76.484 168.916,76.484 168.916,76.484 170.416,76.484 170.416,76.484 180.916,76.484 180.916,76.484 186.916,76.484 186.916,76.484 188.416,76.484 188.416,76.484 189.916,76.484 189.916,76.484 191.416,76.484 191.416,76.484 197.416,76.484 197.416,76.484 198.916,76.484 198.916,76.484 200.416,76.484 200.416,76.484 201.916,76.484 201.916,76.484 203.416,76.484 203.416,76.484 204.916,76.484 204.916,76.484 206.416,76.484 206.416,76.484 207.916,76.484 207.916,76.484 216.916,76.484 216.916,76.484 224.416,76.484 224.416,76.484 225.916,76.484 225.916,76.484 227.416,76.484 227.416,76.484 233.416,76.484 233.416,76.484 234.916,76.484 234.916,76.484 236.416,76.484 236.416,76.484 237.916,76.484 237.916,76.484 239.416,76.484 239.416,76.484 240.916,76.484 240.916,76.484 242.416,76.484 242.416,76.484 243.916,76.484 243.916,76.484 254.416,76.484 254.416,76.484 260.416,76.484 260.416,76.484 261.916,76.484 261.916,76.484 263.416,76.484 263.416,76.484 264.916,76.484 264.916,76.484 270.916,76.484 270.916,76.484 272.416,76.484 272.416,76.484 273.916,76.484 273.916,76.484 275.416,76.484 275.416,76.484 276.916,76.484 276.916,76.484 278.416,76.484 278.416,76.484 279.916,76.484 279.916,76.484 281.416,76.484 281.416,76.484 291.916,76.484 291.916,76.484 297.916,76.484 297.916,76.484 299.416,76.484 299.416,76.484 300.916,76.484 300.916,76.484 308.416,76.484 308.416,76.484 309.916,76.484 309.916,76.484 311.416,76.484 311.416,76.484 312.916,76.484 312.916,76.484 314.416,76.484 314.416,76.484 315.916,76.484 315.916,76.484 317.416,76.484 317.416,76.484 10.175,79.025 15.425,79.025
  other v2: 150.575,18.75 152.075,18.75 86.925,19.75 88.425,19.75 224.225,19.75 225.725,19.75 297.875,19.75 299.375,19.75 150.575,20.25 152.075,20.25 87.675,20.5 86.925,21.25 88.425,21.25 224.225,21.25 225.725,21.25 297.875,21.25 299.375,21.25
EARTH: MH1_B1.0 MH1_B2.0 MH1_B3.0 MH1_B4.0 MH1_B5.0 MH1_B6.0 MH1_B7.0 MH1_B8.0 MH2.0 MH3.0 MH4_B1.0 MH4_B2.0 MH4_B3.0 MH4_B4.0 MH4_B5.0 MH4_B6.0 MH4_B7.0 MH4_B8.0 MH5.0 MH6.0 MH7.0 MH8.0 MH9.0 | length 743.1
  Bottom Layer w1: MH2.0@28.4,75.075 MH2.0@28.475,75 28.475,65.825 MH5.0@28.475,48.5
  Bottom Layer w1.2: 10.527,52.272 13,49.799 MH6.0@13,48.5 ; 10.531,52.272 10.531,62.9 12.727,65.1 14.375,65.1 15.305,66.03 16.299,66.03 16.454,65.875 28.425,65.875 28.475,65.825 ; MH2.0@28.475,75 32.248,78.773 321.1,78.773 321.1,78.274 323.075,76.299 323.724,75.658 MH1_B8.0@325,74.4 ; MH8.0@284.951,3.7 MH8.0@286.25,3.7
  Bottom Layer w1.5: 10.677,8.775 10.677,7.241 13,4.918 MH3.0@13,3.7 ; 10.685,40.227 10.685,46.177 ; 10.687,8.775 10.687,40.225 ; 65.175,78.623 65.175,75.125 MH1_B1.0@65.3,75 MH4_B1.0@65.3,48.5 ; 102.025,78.623 102.025,48.6 MH4_B2.0@102.125,48.5 ; MH4_B3.0@138.95,48.5 MH1_B3.0@138.95,75 138.95,78.373 139.2,78.623 ; MH4_B4.0@175.775,48.5 175.775,66.149 175.85,66.224 175.85,78.623 ; 212.425,78.623 212.6,78.448 MH1_B5.0@212.6,75 MH4_B5.0@212.6,48.5 ; 249.35,78.623 249.425,78.548 MH1_B6.0@249.425,75 MH4_B6.0@249.425,48.5 ; MH4_B7.0@286.25,48.5 MH1_B7.0@286.25,75 286.25,78.498 286.375,78.623
  Bottom Layer w2: MH3.0@13,3.7 MH7.0@28.475,3.7 ; MH8.0@286.25,3.7 287.332,3.7 289.405,1.627 320.75,1.627 322.823,3.7 MH9.0@323.125,3.7 325,5.575 325,47.9 MH1_B8.0@325,74.4
FB_B1: C2_B1.2 R1_B1.1 R20_B1.1 R67_B1.2 U19_B1.4 | length 5.8
  Top Layer w0.2: U19_B1.4@44.425,53.6 U19_B1.4@44.45,53.6 44.475,53.625 45.95,53.625 ; R67_B1.2@46.525,53.728 46.537,53.74 47.495,53.74 C2_B1.2@47.5,53.735 47.517,53.717 48.452,53.717 R20_B1.1@48.47,53.7 48.495,53.725 R1_B1.1@48.495,54.65
  Top Layer w0.3: 45.2,53.628 R67_B1.2@46.4,53.628 ; R67_B1.2@46.525,53.753 R67_B1.2@46.7,53.753
FB_B2: C2_B2.2 R1_B2.1 R20_B2.1 R67_B2.2 U19_B2.4 | length 5.8
  Top Layer w0.2: U19_B2.4@81.25,53.6 U19_B2.4@81.275,53.6 81.3,53.625 82.775,53.625 ; R67_B2.2@83.35,53.728 83.363,53.74 84.32,53.74 C2_B2.2@84.325,53.735 84.343,53.717 85.278,53.717 R20_B2.1@85.295,53.7 85.32,53.725 R1_B2.1@85.32,54.65
  Top Layer w0.3: 82.025,53.628 R67_B2.2@83.225,53.628 ; R67_B2.2@83.35,53.753 R67_B2.2@83.525,53.753
FB_B3: C2_B3.2 R1_B3.1 R20_B3.1 R67_B3.2 U19_B3.4 | length 5.8
  Top Layer w0.2: U19_B3.4@118.075,53.6 U19_B3.4@118.1,53.6 118.125,53.625 119.6,53.625 ; R67_B3.2@120.175,53.728 120.188,53.74 121.145,53.74 C2_B3.2@121.15,53.735 121.168,53.717 122.103,53.717 R20_B3.1@122.12,53.7 122.145,53.725 R1_B3.1@122.145,54.65
  Top Layer w0.3: 118.85,53.628 R67_B3.2@120.05,53.628 ; R67_B3.2@120.175,53.753 R67_B3.2@120.35,53.753
FB_B4: C2_B4.2 R1_B4.1 R20_B4.1 R67_B4.2 U19_B4.4 | length 5.8
  Top Layer w0.2: U19_B4.4@154.9,53.6 U19_B4.4@154.925,53.6 154.95,53.625 156.425,53.625 ; R67_B4.2@157,53.728 157.013,53.74 157.97,53.74 C2_B4.2@157.975,53.735 157.993,53.717 158.928,53.717 R20_B4.1@158.945,53.7 158.97,53.725 R1_B4.1@158.97,54.65
  Top Layer w0.3: 155.675,53.628 R67_B4.2@156.875,53.628 ; R67_B4.2@157,53.753 R67_B4.2@157.175,53.753
FB_B5: C2_B5.2 R1_B5.1 R20_B5.1 R67_B5.2 U19_B5.4 | length 5.8
  Top Layer w0.2: U19_B5.4@191.725,53.6 U19_B5.4@191.75,53.6 191.775,53.625 193.25,53.625 ; R67_B5.2@193.825,53.728 193.838,53.74 194.795,53.74 C2_B5.2@194.8,53.735 194.818,53.717 195.753,53.717 R20_B5.1@195.77,53.7 195.795,53.725 R1_B5.1@195.795,54.65
  Top Layer w0.3: 192.5,53.628 R67_B5.2@193.7,53.628 ; R67_B5.2@193.825,53.753 R67_B5.2@194,53.753
FB_B6: C2_B6.2 R1_B6.1 R20_B6.1 R67_B6.2 U19_B6.4 | length 5.8
  Top Layer w0.2: U19_B6.4@228.55,53.6 U19_B6.4@228.575,53.6 228.6,53.625 230.075,53.625 ; R67_B6.2@230.65,53.728 230.663,53.74 231.62,53.74 C2_B6.2@231.625,53.735 231.643,53.717 232.578,53.717 R20_B6.1@232.595,53.7 232.62,53.725 R1_B6.1@232.62,54.65
  Top Layer w0.3: 229.325,53.628 R67_B6.2@230.525,53.628 ; R67_B6.2@230.65,53.753 R67_B6.2@230.825,53.753
FB_B7: C2_B7.2 R1_B7.1 R20_B7.1 R67_B7.2 U19_B7.4 | length 5.8
  Top Layer w0.2: U19_B7.4@265.375,53.6 U19_B7.4@265.4,53.6 265.425,53.625 266.9,53.625 ; R67_B7.2@267.475,53.728 267.488,53.74 268.445,53.74 C2_B7.2@268.45,53.735 268.468,53.717 269.403,53.717 R20_B7.1@269.42,53.7 269.445,53.725 R1_B7.1@269.445,54.65
  Top Layer w0.3: 266.15,53.628 R67_B7.2@267.35,53.628 ; R67_B7.2@267.475,53.753 R67_B7.2@267.65,53.753
FB_B8: C2_B8.2 R1_B8.1 R20_B8.1 R67_B8.2 U19_B8.4 | length 5.8
  Top Layer w0.2: U19_B8.4@302.2,53.6 U19_B8.4@302.225,53.6 302.25,53.625 303.725,53.625 ; R67_B8.2@304.3,53.728 304.313,53.74 305.27,53.74 C2_B8.2@305.275,53.735 305.293,53.717 306.228,53.717 R20_B8.1@306.245,53.7 306.27,53.725 R1_B8.1@306.27,54.65
  Top Layer w0.3: 302.975,53.628 R67_B8.2@304.175,53.628 ; R67_B8.2@304.3,53.753 R67_B8.2@304.475,53.753
GPIO_METER: C23.1 U5.61 XP3.1 | length 100
  Top Layer w0.2: XP3.1@16.15,40.285 17.15,41.285 17.15,41.81 C23.1@17.135,41.825 ; v1(46.075,14.825) 46.129,14.825 46.454,14.5 54.252,14.5 61.652,7.1 71.506,7.1 71.831,6.775 79.66,6.775 80.535,7.65 88.916,7.65 88.925,7.659 91.959,7.659 92.059,7.759 U5.61@92.816,7.759
  Bottom Layer w0.2: XP3.1@16.15,40.285 17.915,42.05 21.475,42.05 26.025,37.5 26.025,27.847 39.047,14.825 v1(46.075,14.825)
HW_CONF1: R68.2 U5.41 | length 2.7
  Top Layer w0.2: R68.2@97.8,18.345 97.981,18.164 97.981,17.76 98.466,17.275 U5.41@98.466,15.909
HW_CONF2: R69.2 U5.40 | length 2.5
  Top Layer w0.2: R69.2@98.75,18.34 98.762,18.34 98.947,18.155 98.947,15.928 U5.40@98.966,15.909
I2C0_SCL: R23_B1.2 R23_B2.2 R23_B3.2 R23_B4.2 R46.1 U4_B1.5 U4_B2.5 U4_B3.5 U4_B4.5 U11.12 U12.5 U13.12 U20_B1.6 U20_B2.6 U20_B3.6 U20_B4.6 | length 306.6
  Top Layer w0.2: U20_B1.6@49.155,44.825 49.65,44.825 49.65,44.846 49.855,45.051 49.855,45.48 50.85,46.475 v1(50.85,47.375) ; R23_B1.2@51.28,50.525 v1(51.85,50.525) 52.279,50.525 52.304,50.55 U4_B1.5@52.304,50.64 ; R23_B1.2@51.305,50.11 51.305,50.15 R23_B1.2@51.48,50.325 ; v1(58.975,42.675) 63.11,38.54 63.11,29.835 62.925,29.65 62.925,28.348 v1@62.947,28.326 ; v1(62.9,26.05) v1(69.85,26.05) v1(84.75,26.05) v1(99.65,26.05) 99.675,26.025 136.475,26.025 v1@173.25,26.025 ; v1@62.903,28.326 v1@62.947,28.326 ; v1@62.948,28.325 v1@62.947,28.326 ; v1(72.054,17.576) 72.059,17.576 72.41,17.225 76.46,17.225 77.045,17.81 R46.1@77.045,17.85 77.045,18.752 77.393,19.1 U12.5@77.75,19.1 U12.5@77.775,19.125 ; v1(84.75,19.725) 84.921,19.554 85.646,19.554 U11.12@85.675,19.525 ; U20_B2.6@85.98,44.825 86.475,44.825 86.475,44.846 86.68,45.051 86.68,45.48 87.675,46.475 v1(87.675,47.375) ; R23_B2.2@88.105,50.525 v1(88.675,50.525) 89.104,50.525 89.129,50.55 U4_B2.5@89.129,50.64 ; R23_B2.2@88.13,50.11 88.13,50.15 R23_B2.2@88.305,50.325 ; v1(95.8,42.675) 99.935,38.54 99.935,29.835 99.75,29.65 v1@99.75,28.3 ; U20_B3.6@122.805,44.825 123.3,44.825 123.3,44.846 123.505,45.051 123.505,45.48 124.5,46.475 v1(124.5,47.375) ; R23_B3.2@124.93,50.525 v1(125.5,50.525) 125.929,50.525 125.954,50.55 U4_B3.5@125.954,50.64 ; R23_B3.2@124.955,50.11 124.955,50.15 R23_B3.2@125.13,50.325 ; v1(132.625,42.675) 136.76,38.54 136.76,29.835 136.575,29.65 v1@136.575,28.3 ; v1(136.5,20.475) 146.275,20.475 148.225,18.525 U13.12@149.325,18.525 ; U20_B4.6@159.63,44.825 160.125,44.825 160.125,44.846 160.33,45.051 160.33,45.48 161.325,46.475 v1(161.325,47.375) ; R23_B4.2@161.755,50.525 v1(162.325,50.525) 162.754,50.525 162.779,50.55 U4_B4.5@162.779,50.64 ; R23_B4.2@161.78,50.11 161.78,50.15 R23_B4.2@161.955,50.325 ; v1(169.45,42.675) 173.585,38.54 173.585,29.835 173.4,29.65 v1@173.4,28.3
  Bottom Layer w0.2: v1(51.85,50.525) 50.85,49.525 v1(50.85,47.375) 50.888,47.337 50.888,46.955 51.318,46.525 56.95,46.525 58.525,44.95 58.525,43.275 58.975,42.825 v1(58.975,42.675) ; v1(62.9,26.05) 62.875,26.05 62.903,26.078 v1(62.903,28.276) ; v1(69.85,26.05) 69.85,23.569 69.7,23.419 69.7,19.65 71.736,17.614 72.015,17.614 v1(72.054,17.576) ; v1(84.75,19.725) v1(84.75,26.05) ; v1(88.675,50.525) 87.675,49.525 v1(87.675,47.375) 87.713,47.337 87.713,46.955 88.143,46.525 93.775,46.525 95.35,44.95 95.35,43.275 95.8,42.825 v1(95.8,42.675) ; v1@99.65,26.075 v1(99.65,28.225) ; v1(125.5,50.525) 124.5,49.525 v1(124.5,47.375) 124.538,47.337 124.538,46.955 124.968,46.525 130.6,46.525 132.175,44.95 132.175,43.275 132.625,42.825 v1(132.625,42.675) ; v1@136.475,20.5 v1@136.475,26 ; v1@136.475,26.075 v1(136.475,28.225) ; v1(162.325,50.525) 161.325,49.525 v1(161.325,47.375) 161.363,47.337 161.363,46.955 161.793,46.525 167.425,46.525 169,44.95 169,43.275 169.45,42.825 v1(169.45,42.675) ; v1@173.3,26.075 v1(173.3,28.225)
  other v1: 136.475,26.05 173.3,26.05
I2C0_SDA: R24_B1.2 R24_B2.2 R24_B3.2 R24_B4.2 R47.1 U4_B1.7 U4_B2.7 U4_B3.7 U4_B4.7 U11.13 U12.4 U13.13 U20_B1.5 U20_B2.5 U20_B3.5 U20_B4.5 | length 304.7
  Top Layer w0.2: U20_B1.5@49.155,44.325 49.716,44.325 50.255,44.864 50.255,45.3 51.487,46.532 51.487,46.987 v1(51.525,47.025) ; R24_B1.2@51.28,49.4 51.28,49.44 51.465,49.625 v1(52.35,49.625) 52.739,49.625 53.279,50.166 53.279,50.615 U4_B1.7@53.304,50.64 ; v1(59.8,42.7) 59.825,42.7 63.51,39.015 63.51,28.315 v1(63.525,28.3) ; v1@63.525,26.625 v1(70.35,26.625) v1@173.975,26.625 ; v1(72.029,18.176) 72.058,18.176 72.432,18.55 72.872,18.55 ; R47.1@72.82,17.85 72.872,17.902 72.872,18.55 ; U12.4@73.25,19.1 72.988,19.1 72.872,18.985 72.872,18.55 ; U20_B2.5@85.98,44.325 86.541,44.325 87.08,44.864 87.08,45.3 88.312,46.532 88.312,46.987 v1(88.35,47.025) ; v1(86.225,18.7) 86.242,18.7 86.342,18.6 86.631,18.6 86.7,18.531 U11.13@86.7,18.5 ; R24_B2.2@88.105,49.4 88.105,49.44 88.29,49.625 v1(89.175,49.625) 89.564,49.625 90.104,50.166 90.104,50.615 U4_B2.7@90.129,50.64 ; v1(96.625,42.7) 96.65,42.7 100.335,39.015 v1@100.335,28.3 ; v1@100.335,28.215 v1(100.35,28.2) ; U20_B3.5@122.805,44.325 123.366,44.325 123.905,44.864 123.905,45.3 125.137,46.532 125.137,46.987 v1(125.175,47.025) ; R24_B3.2@124.93,49.4 124.93,49.44 125.115,49.625 v1(126,49.625) 126.389,49.625 126.929,50.166 126.929,50.615 U4_B3.7@126.954,50.64 ; v1(133.45,42.7) 133.475,42.7 137.16,39.015 v1@137.16,28.3 ; v1(137.175,19.95) 146.15,19.95 148.6,17.5 U13.13@150.35,17.5 ; U20_B4.5@159.63,44.325 160.191,44.325 160.73,44.864 160.73,45.3 161.962,46.532 161.962,46.987 v1(162,47.025) ; R24_B4.2@161.755,49.4 161.755,49.44 161.94,49.625 v1(162.825,49.625) 163.214,49.625 163.754,50.166 163.754,50.615 U4_B4.7@163.779,50.64 ; v1(170.275,42.7) 170.3,42.7 173.985,39.015 v1@173.985,28.3
  Bottom Layer w0.2: v1@52.25,49.6 52.25,47.75 v1(51.525,47.025) 57.05,47.025 58.925,45.15 58.925,43.575 v1(59.8,42.7) ; v1(63.525,26.575) v1(63.525,28.3) ; v1(70.35,26.625) 70.35,26.618 70.7,26.268 70.7,19.368 71.768,18.3 71.85,18.3 71.974,18.176 v1(72.029,18.176) ; v1(86.225,18.7) v1(86.225,26.55) ; v1@89.075,49.6 89.075,47.75 v1(88.35,47.025) 93.875,47.025 95.75,45.15 95.75,43.575 v1(96.625,42.7) ; v1(100.325,26.525) 100.338,26.538 100.338,28.188 v1(100.35,28.2) ; v1@125.9,49.6 125.9,47.75 v1(125.175,47.025) 130.7,47.025 132.575,45.15 132.575,43.575 v1(133.45,42.7) ; v1@137.15,19.975 v1@137.15,26.5 ; v1@137.163,26.538 v1@137.163,28.188 ; v1@162.725,49.6 162.725,47.75 v1(162,47.025) 167.525,47.025 169.4,45.15 169.4,43.575 v1(170.275,42.7) ; v1@173.988,26.538 v1@173.988,28.188
  other v1: 137.15,26.525 173.975,26.525 137.175,28.2 174,28.2